# KiCad board Jumperless2.kicad_pcb (continued)
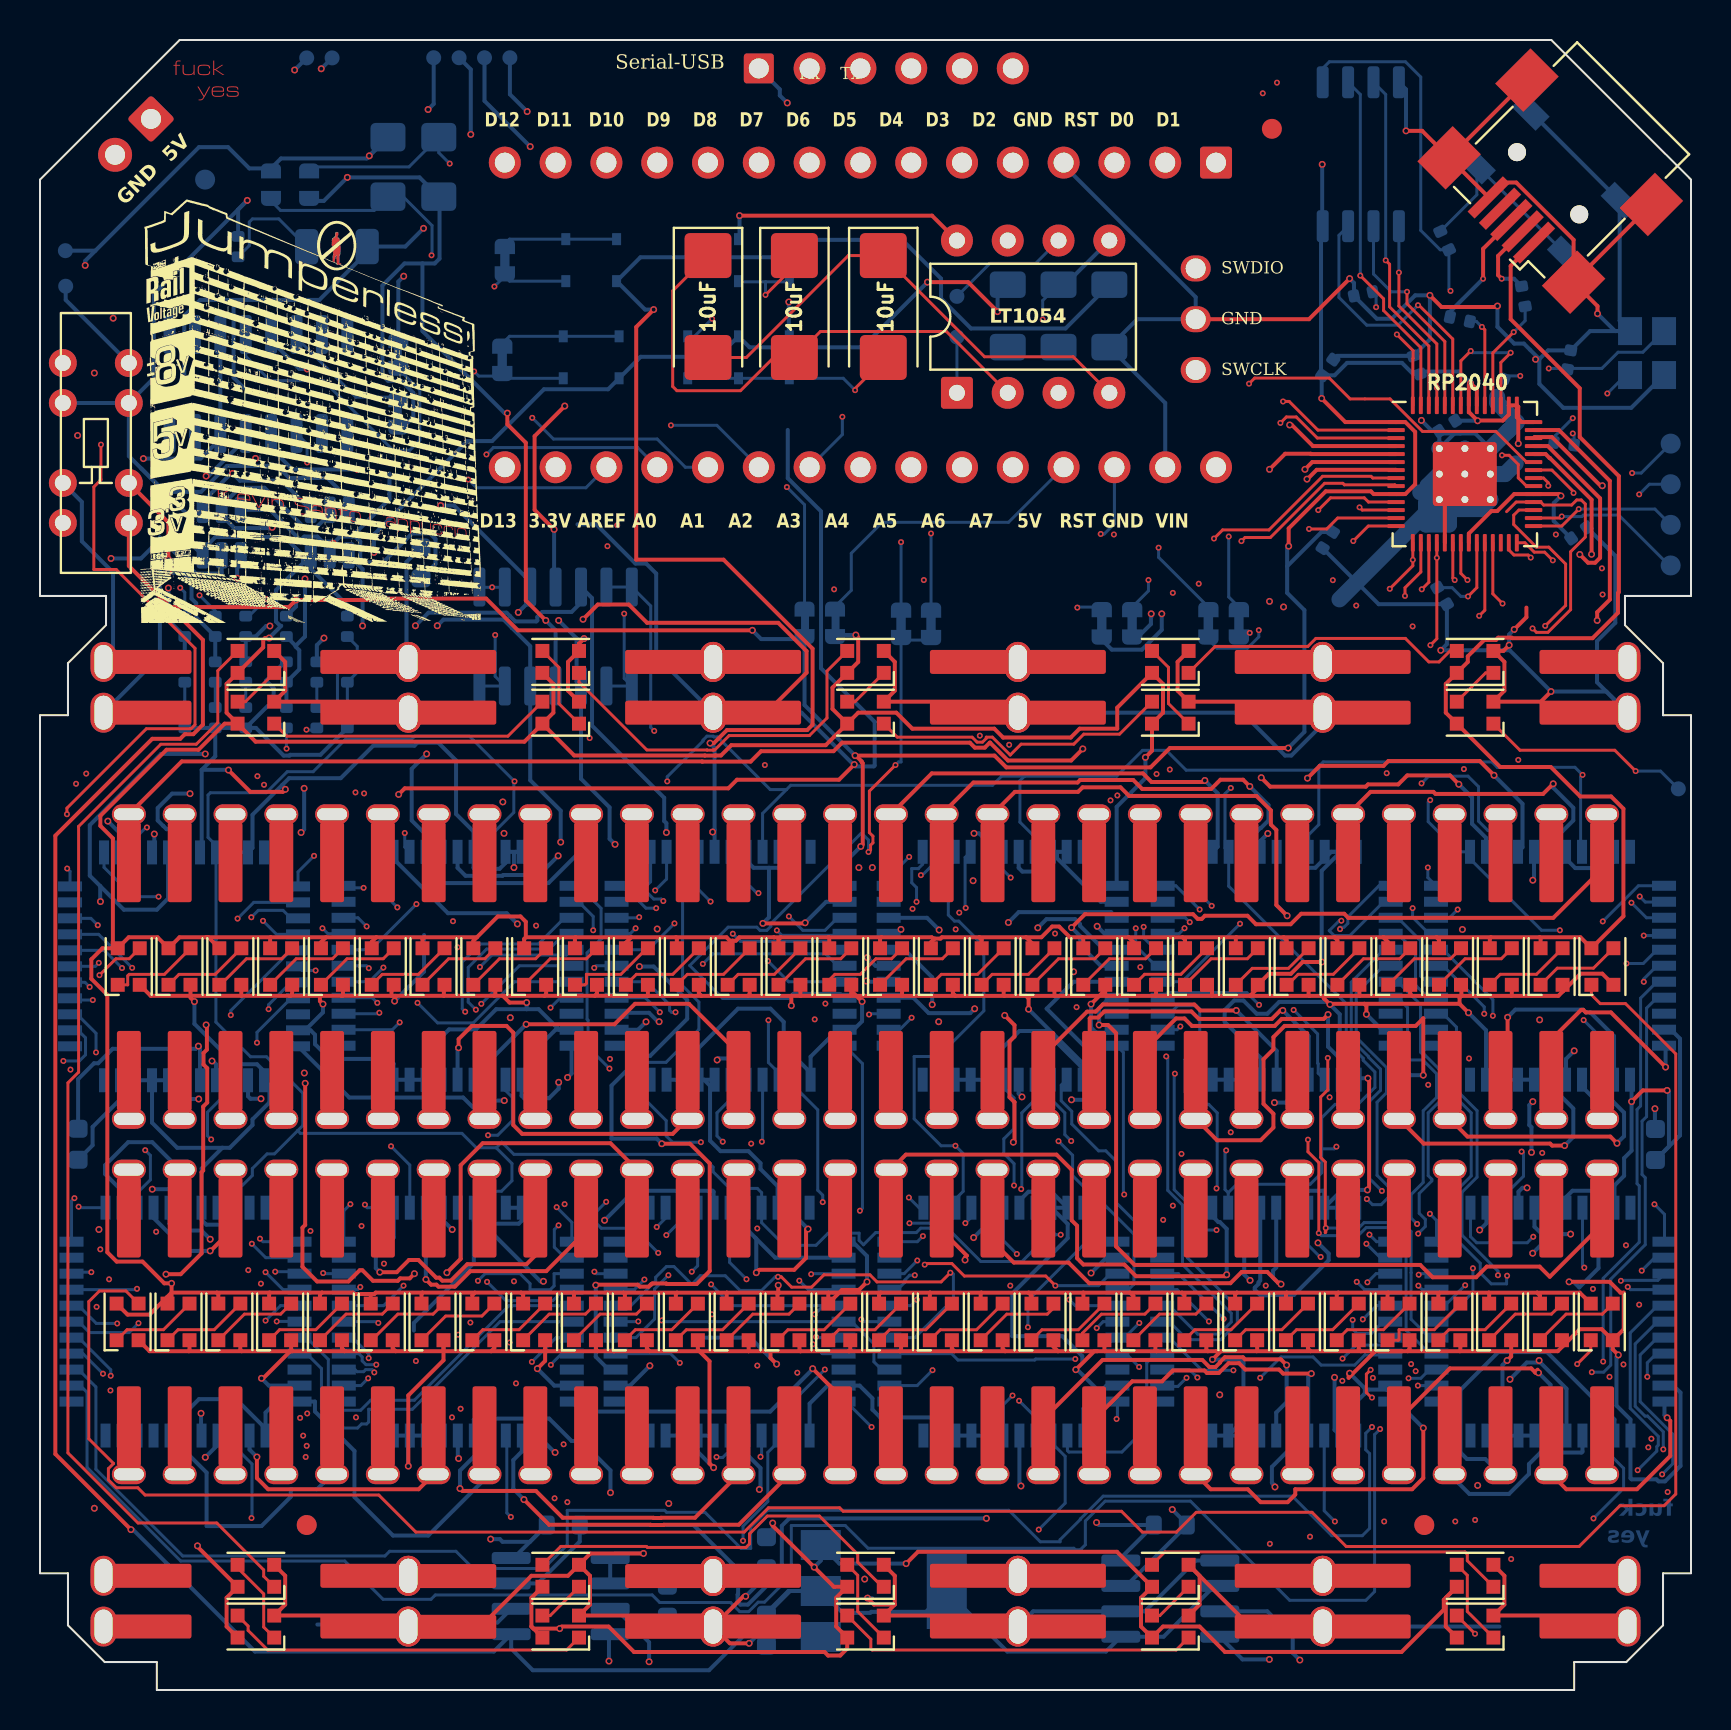
[diagram p0: board, top side]
## Routing (per net, layer and track width the routed paths; a pad name or vN(x,y) marks a point on that pad's centre or on a via; arc(x,y) is an arc through that point) (continued)
GND: length 1325.2
  Top w0.2: 60.5,34.73 60.89,35.12 D23.2 61.44,35.83 62.54,35.83 63.14,36.42 v2(64.08,36.42) ; 60.5,34.73 63.47,34.73 ; 60.5,34.73 58.6,34.73 ; 64.19,34.73 64.19,34.61 v2(64.5,34.3) 64.53,34.33 66.22,34.33 ; 64.19,34.73 63.47,34.73 ; 64.19,34.73 65.99,34.73 ; 10.06,34.73 12.52,34.73 ; 10.06,34.73 10.07,34.74 D3.2 ; 10.06,34.73 7.52,34.73 ; 12.52,34.73 14,34.73 ; 12.52,34.73 12.61,34.81 D4.2 ; v2(68.3,78) 69.11,78 J5.6 ; 12.6,16.95 15.24,16.95 ; 12.6,16.95 10.08,16.95 ; 12.6,16.95 12.56,16.99 ; 15.24,16.95 17.78,16.95 ; 15.24,16.95 15.1,17.09 D35.2 ; D9.2 25.31,34.81 25.22,34.73 ; 48.26,16.95 48.13,17.08 D48.2 ; 48.26,16.95 45.72,16.95 ; 48.26,16.95 50.9,16.95 ; D10.2 27.85,34.84 27.74,34.73 ; 45.72,16.95 43,16.95 ; 45.72,16.95 45.59,17.08 D47.2 ; 35.41,34.73 37.57,34.73 ; 35.41,34.73 35.48,34.8 D13.2 ; 35.41,34.73 33.07,34.73 ; 37.57,34.73 38.02,34.73 ; 37.57,34.73 v2(37.57,34.24) ; D29.2 76.13,34.97 76.14,34.95 ; 27.89,16.95 28.69,16.95 28.7,16.95 30.48,16.95 ; 27.89,16.95 25.35,16.95 ; 27.89,16.95 27.8,17.04 D40.2 ; v2(27.15,53.57) 27.89,54.31 29.44,54.31 30.35,53.39 36.91,53.39 38.33,51.97 38.33,50.9 36.33,48.89 J4.0 ; J4.32 78.83,3.72 D71.2 73.22,4.27 73.22,5.71 D72.2 ; 55.78,34.73 58.6,34.73 ; 55.78,34.73 53.31,34.73 ; 55.78,34.73 55.8,34.75 D21.2 ; 58.6,34.73 58.6,35.03 D22.2 ; D32.2 7.48,16.99 7.44,16.95 ; 68.38,16.95 68.48,17.05 D56.2 ; 68.38,16.95 70.99,16.95 ; 68.38,16.95 68.1,16.95 ; D77.2 26.4,5.71 24.57,5.71 22.03,3.17 J4.32 17.87,3.72 D79.2 12.26,4.27 12.26,5.71 D80.2 ; D77.2 27.52,6.83 v2(30.18,6.83) ; D77.2 27.5,5.71 27.5,4.27 D78.2 33.09,3.72 J4.32 ; 45.77,34.73 48.21,34.73 ; 45.77,34.73 45.64,34.86 D17.2 ; 45.77,34.73 43.13,34.73 ; 48.21,34.73 48.18,34.76 D18.2 ; 48.21,34.73 49.3,34.73 ; 76.19,17.25 75.89,16.95 73.53,16.95 ; 76.19,17.25 76.1,17.35 D59.2 ; 76.19,17.25 76.99,18.05 78.09,18.05 D60.2 ; U9.19 70.24,59.28 U9.57 ; 71.07,34.73 70.98,34.64 70.98,34.33 ; 71.07,34.73 68.61,34.73 ; 71.07,34.73 71.07,35.26 D27.2 ; 71.07,34.73 73.56,34.73 ; 7.44,16.95 5.48,16.95 D31.2 ; 7.44,16.95 10.08,16.95 ; 42.74,4.27 42.74,5.71 42.19,6.26 ; 42.74,4.27 41.7,4.27 v2(41.38,4.6) ; 42.74,4.27 42.19,3.72 48.34,3.72 J4.32 ; D43.2 35.43,16.95 ; 35.43,16.95 36.53,16.95 ; 35.43,16.95 32.97,16.95 ; D38.2 22.72,17.11 22.56,16.95 ; v2(73.71,53.06) 74.32,53.67 74.32,54.15 ; 36.53,16.95 36.53,16.61 v2(36.83,16.31) ; 36.53,16.95 38.02,16.95 ; D25.2 65.97,34.75 65.99,34.73 ; D24.2 63.43,34.77 63.47,34.73 ; 25.26,17.04 25.26,16.47 v2(24.87,16.08) ; 25.26,17.04 D39.2 ; 25.26,17.04 25.35,16.95 ; 17.78,16.95 17.64,17.09 D36.2 ; 17.78,16.95 20.17,16.95 ; v2(40.71,46.3) 39.95,45.54 34.85,45.54 34.42,45.11 18.24,45.11 v2(17.93,44.81) ; 40.46,16.95 43,16.95 ; 40.46,16.95 38.02,16.95 ; 40.46,16.95 40.51,17 D45.2 ; 43,16.95 43.05,17 D46.2 ; 50.9,16.95 52.86,16.95 ; 50.9,16.95 50.67,17.18 D49.2 ; 52.86,16.95 53.24,16.95 ; 52.86,16.95 52.71,16.95 v2(51.79,16.03) ; 27.74,34.73 28.68,34.73 30.4,34.73 ; 27.74,34.73 25.22,34.73 ; v2(66.37,25.02) 66.45,25.1 66.45,30.55 v2(66.4,30.61) ; D55.2 65.94,17.05 66.04,16.95 ; D57.2 71.02,16.97 70.99,16.95 ; 38.02,16.95 37.97,17 D44.2 ; 73.56,16.97 73.53,16.95 ; 73.56,16.97 73.56,16.69 v2(73.36,16.48) ; 73.56,16.97 D58.2 ; 73.53,16.95 70.99,16.95 ; v2(75.55,49.95) 75.04,49.44 D90.2 73.22,49.99 73.22,51.44 D89.2 73.17,51.98 v2(73.46,52.27) ; 10.08,16.95 10.02,17.02 D33.2 ; 43.13,34.73 43.1,34.76 D16.2 ; 43.13,34.73 40.51,34.73 ; 23.14,34.73 25.22,34.73 ; 23.14,34.73 23.48,34.39 v2(24.33,34.39) ; 23.14,34.73 22.71,34.73 ; v2(12.27,45.06) 12.14,44.93 10.51,44.93 v2(9.42,46.02) ; v2(81.36,30) 80.14,30 v2(79.58,29.44) ; 68.61,34.73 65.99,34.73 ; 68.61,34.73 68.51,34.82 D26.2 ; v2(58.62,16.54) 59.04,16.95 60.83,16.95 ; 7.52,34.73 5.54,34.73 D1.2 ; 7.52,34.73 7.53,34.74 ; 30.4,34.73 30.39,34.74 D11.2 ; 30.4,34.73 33.07,34.73 ; D81.2 12.26,51.44 12.26,49.99 D82.2 17.87,49.44 J4.0 ; 49.3,34.73 50.72,34.73 ; 49.3,34.73 49.43,34.6 v2(49.43,34.06) ; 50.72,34.73 53.31,34.73 ; 50.72,34.73 50.72,34.73 D19.2 ; 55.83,16.95 58.39,16.95 ; 55.83,16.95 53.24,16.95 ; 55.83,16.95 55.77,17.01 D51.2 ; 58.39,16.95 58.32,17.03 D52.2 ; 58.39,16.95 58.81,16.95 58.81,16.95 ; 20.17,16.95 20.18,16.96 D37.2 20.18,16.5 18.41,14.74 v2(18.41,11.2) ; 20.17,16.95 22.56,16.95 ; D60.2 78.64,17.04 v2(78.92,16.76) ; D60.2 79.19,18.05 79.19,19.88 79.03,19.88 78.49,20.42 v2(76.45,20.42) ; 60.83,16.95 60.86,16.97 D53.2 ; 60.83,16.95 63.53,16.95 ; 22.56,16.95 25.35,16.95 ; 76.14,34.95 75.92,34.73 73.56,34.73 ; 76.14,34.95 77.03,35.84 78.11,35.84 D30.2 ; 53.31,34.73 53.26,34.78 D20.2 53.26,35.03 v2(52.55,34.32) ; J5.6 J5.6 ; J5.6 J5.5 ; 66.22,34.33 66.32,34.23 v2(66.32,33.81) ; 66.22,34.33 70.98,34.33 ; 7.53,34.74 7.53,34.64 v2(7.72,34.44) ; 7.53,34.74 D2.2 ; 14,34.73 15.09,34.73 ; 14,34.73 14,34.47 v2(14.15,34.32) ; 15.09,34.73 15.15,34.79 D5.2 ; 15.09,34.73 17.58,34.73 ; J5.6 77.88,69.23 v2(77.88,68.86) ; J5.6 76.68,72.55 73.81,75.42 73.18,75.42 ; J5.6 J5.6 ; v2(35.81,20.88) 35.96,21.02 37.71,21.02 38.3,21.62 38.3,23.04 38.38,23.04 v2(38.4,23.06) ; 63.53,16.95 66.04,16.95 ; 63.53,16.95 63.4,17.08 D54.2 ; 66.04,16.95 68.1,16.95 ; 38.02,34.73 38.02,34.73 D14.2 ; 38.02,34.73 40.51,34.73 ; J4.0 63.59,49.44 D87.2 56.88,49.99 56.88,51.44 D88.2 ; 40.51,34.73 40.56,34.78 D15.2 40.56,34.98 v2(41.1,34.44) ; 32.97,16.95 33.48,16.44 33.48,11.33 v2(33.68,11.13) ; 32.97,16.95 32.89,17.03 D42.2 ; 32.97,16.95 30.48,16.95 ; 17.58,34.73 17.75,34.73 ; 17.58,34.73 17.58,35.17 D6.2 ; 17.75,34.73 20.19,34.73 ; 17.75,34.73 17.75,34.49 v2(17.73,34.47) ; 53.24,16.95 53.22,16.97 D50.2 ; v2(69.49,69.77) 70.08,69.19 72.82,69.19 v2(72.87,69.24) ; 33.07,34.73 32.94,34.86 D12.2 ; 30.48,16.95 30.34,17.09 D41.2 ; J4.0 48.34,49.44 42.19,49.44 42.74,49.99 42.74,51.44 42.19,51.98 ; D83.2 26.4,49.99 26.4,51.44 D84.2 26.95,52.35 v2(27.2,52.6) ; 73.56,34.73 73.59,34.76 D28.2 ; 70.98,34.33 v2(71.42,33.88) ; D7.2 20.19,35.25 20.19,34.73 ; J4.32 60.52,3.17 D73.2 57.98,5.71 57.98,4.27 D74.2 ; 20.19,34.73 22.71,34.73 ; J1.2 63.45,68.58 v2(65.48,70.61) ; 68.1,16.95 66.73,16.95 66.73,16.93 65.43,15.62 65.43,15.8 v2(65.48,15.85) ; v2(11.07,15.6) 11.16,15.6 12.56,16.99 ; v2(38.26,38.38) 38.23,38.35 v2(36.14,38.35) ; 22.71,34.73 22.77,34.79 D8.2 ; D34.2 12.56,16.99 ; v2(35.28,4.69) 35.17,4.69 J4.32 34.49,2.34 v2(35.46,2.34)
  In1.Cu w0.2: J4.32 J4.32 18.69,3.45 33.38,3.45 J4.32 J4.32 J4.32 J4.32 ; v2(14.66,57.37) 14.59,57.44 4.38,57.44 v2(3.55,56.61) ; J4.0 J4.0 ; 18.56,48.75 33.51,48.75
  In2.Cu w0.2: v2(25.76,11.89) 24.87,12.78 v2(24.87,16.08) 25.17,16.38 v2(25.17,20.45) ; v2(14.66,57.37) 14.91,57.62 14.91,68.86 v2(19.18,73.13) ; v2(23.7,41.15) 23.49,40.94 23.49,38.07 24.33,37.24 v2(24.33,34.39) ; J4.0 17.93,48.41 v2(17.93,44.81) ; v2(3.66,68.63) 3.61,68.58 3.48,68.58 ; v2(37.57,34.24) 38.25,34.92 38.25,38.38 v2(38.26,38.38) ; 3.48,68.58 3.48,65.84 ; 3.48,68.58 3.48,76.53 ; 3.48,65.84 2.77,65.84 v2(2.72,65.89) ; 3.48,65.84 3.48,63.93 ; v2(27.15,53.57) 27.2,53.52 v2(27.2,52.6) ; v2(37.36,79.4) 37.36,69.52 v2(37.44,69.44) ; 3.48,63.93 3.05,63.93 v2(1.88,62.76) ; 3.48,63.93 3.48,56.69 v2(3.55,56.61) ; v2(71.42,33.88) 71.12,34.19 v2(71.12,38.05) ; v2(18.41,11.2) 18.41,7.27 17.56,6.42 17.56,4.02 J4.32
  Bottom w0.2: U3.2 9.08,55.9 9.04,55.86 7.8,55.86 5.99,57.66 5.99,57.56 ; v2(17.73,34.47) 19.2,35.94 19.2,37.77 ; J6.19 32.88,11.92 v2(33.68,11.13) ; G1.20 G1.21 ; G1.20 60.17,13.49 60.17,16.36 59.99,16.54 v2(58.62,16.54) ; G1.20 G1.18 ; 36.45,41.13 35.68,41.13 35.33,41.48 I1.40 ; 36.45,41.13 36.93,41.13 I1.43 I1.42 ; 36.45,41.13 36.45,38.66 v2(36.14,38.35) ; J4.32 18.31,3.28 13.87,3.28 ; H1.21 H1.18 ; J6.18 J6.21 ; F5.42 F5.43 24.09,23.48 23.94,23.33 21.83,23.33 21.69,23.47 F5.40 ; v2(77.88,68.86) 78.75,67.99 79.5,67.99 ; D70.43 D70.42 77.9,41.22 77.8,41.12 76.76,41.12 76.3,41.59 D70.40 ; v2(65.48,15.85) 66.24,15.09 66.24,14.84 ; v2(72.87,69.24) 72.87,68.2 73.71,67.36 74.19,67.36 74.97,66.59 ; C25.1 2.63,27.25 2.63,28.17 4,29.54 A2.21 A2.18 ; v2(18.41,11.2) 18.41,12.65 F5.20 ; F5.40 21.69,23.78 25.02,20.45 v2(25.17,20.45) ; F5.40 21.69,21.36 18.69,18.36 18.69,17.98 ; U9.57 71.76,62.86 71.02,62.86 ; G1.40 62.91,24.43 62.91,24.92 62.97,24.98 64.16,24.98 64.21,24.93 G1.42 ; L1.2 53.03,39.43 50.85,41.62 50.85,41.93 ; C26.21 C26.18 61.03,31.63 59.23,33.43 59.23,34.02 59.71,34.49 60.17,34.49 60.83,33.83 61.37,33.83 61.96,34.42 64.37,34.42 v2(64.5,34.3) 64.99,33.81 64.99,32.32 65.83,31.47 C26.12 65.91,30.61 v2(66.4,30.61) ; 23.77,41.93 B1.42 23.28,41.38 22.98,41.08 21.73,41.08 21.68,41.14 B1.40 21.68,42.95 20.8,43.83 20.8,46.51 19.91,47.4 18.87,47.4 18.72,47.24 16.66,47.24 15.04,45.62 12.45,45.62 12.12,45.28 ; 23.77,41.93 23.7,41.86 v2(23.7,41.15) ; 23.77,41.93 B1.43 ; v2(73.46,52.27) 73.46,52.81 v2(73.71,53.06) ; v2(19.18,73.13) 18.27,72.22 D91.1 16.36,71.94 13.97,69.55 9.8,69.55 ; 25.96,33.03 24.93,34.06 24.33,34.06 ; 25.96,33.03 B1.10 ; 25.96,33.03 25.78,33.03 24.88,32.13 B1.12 ; 9.8,69.55 8.01,69.55 7.21,68.75 7.21,65.46 7.52,65.15 ; 9.8,69.55 9.68,69.42 9.68,65.66 10.19,65.15 ; 9.12,27.13 9.49,27.13 10.62,28.26 10.62,28.55 11.47,29.4 11.47,30.23 A2.12 11.2,30.96 10.85,31.31 9.74,31.31 7.72,33.33 v2(7.72,34.44) ; 9.12,27.13 8.09,26.09 8.09,24.14 ; 9.12,27.13 6.86,27.13 5.6,28.38 A2.19 ; H1.40 76.32,24.68 76.62,24.98 77.87,24.98 H1.43 ; F5.10 25.71,15.23 v2(24.87,16.08) ; 66.24,14.84 66.43,15.03 67.31,15.03 G1.10 ; 66.24,14.84 65.81,14.41 G1.12 ; K1.10 53.32,15.23 52.99,14.9 ; v2(3.55,56.61) 5.05,56.61 5.99,57.56 ; H1.43 H1.42 77.92,21.1 76.96,20.14 76.68,20.42 v2(76.45,20.42) ; H1.43 78.72,25.24 79.2,25.72 79.2,26.61 79.58,26.98 v2(79.58,29.44) 79.58,30.46 D70.12 ; H1.10 81.67,15.23 82.02,14.88 82.02,11.21 81.25,10.44 80.92,10.44 80.82,10.54 79.58,10.54 79.52,10.59 H1.12 79.52,13.53 78.82,14.23 78.82,16.67 v2(78.92,16.76) ; K1.40 48.97,24.48 49.42,24.93 50.57,24.93 K1.43 K1.42 51.38,23.32 51.38,22.61 48.62,19.84 48.62,17.7 51.12,17.7 52.12,16.71 52.12,16.35 v2(51.79,16.03) 51.87,16.03 52.99,14.9 ; 15.6,57.71 15.76,57.71 16.01,57.46 16.01,56.62 16.21,56.42 17.16,56.42 18.6,57.86 19.5,57.86 19.77,57.58 19.77,56.34 C23.1 ; 15.6,57.71 17.48,59.59 17.48,60.86 ; 15.6,57.71 15,57.71 v2(14.66,57.37) ; R22.2 8.76,46.71 8.09,46.04 ; R22.2 R21.2 ; R22.2 R23.2 ; v2(38.4,23.06) 37.68,23.79 J6.43 J6.42 36.88,25.21 36.03,26.06 36.03,26.36 35.42,26.96 34.03,26.96 33.5,27.48 33.5,30.23 33.2,30.53 ; v2(11.07,15.6) 11.44,15.23 E1.10 12.63,15.23 11.28,13.88 E1.12 11.28,13.08 9.8,14.55 7.95,14.55 6.48,13.08 E1.18 ; v2(14.66,57.37) 14.49,57.19 U5.2 ; v2(14.66,57.37) 14.58,57.46 14.11,57.46 13.86,57.71 13.21,57.71 13.02,57.52 11.5,59.04 U3.6 ; 26.87,58.32 27.81,58.32 29.78,56.35 30.31,56.35 30.81,55.85 30.81,51.74 J4.0 38.08,48.89 40.76,46.21 41.69,46.21 41.73,46.25 41.73,48.44 39.05,51.12 39.05,58.97 37.39,60.63 37.39,63.04 ; 5.99,57.56 5.99,51.71 J4.0 ; 81.2,65.79 79.56,64.15 76.16,64.15 74.97,65.34 74.97,66.59 ; A1.29 56.26,64.39 C1.2 54.86,68.58 J1.2 57.78,69.68 51.18,76.29 ; 79.5,67.99 78.98,68.5 SW1.1 SW1.1 ; 79.5,67.99 77.5,67.99 C14.2 75.4,67.02 74.97,66.59 ; v2(24.33,34.39) 24.33,34.06 ; 24.33,34.06 22.81,34.06 21.8,33.05 20.45,33.05 20.08,32.68 B1.18 B1.21 17.68,31.33 17.44,31.57 14.49,31.57 13.75,32.31 13.75,32.78 13.53,33.01 A2.10 13.25,33.01 14.15,33.9 v2(14.15,34.32) ; 12.25,51.44 11.3,50.5 11.68,50.12 11.68,49.53 R23.2 ; v2(35.81,20.88) 35.81,22.58 35.76,22.63 ; D70.18 D70.21 72.3,33.01 v2(71.42,33.88) ; L1.40 48.93,41.13 49.12,40.94 50.34,40.94 50.53,41.13 L1.42 50.85,41.93 ; 52.99,14.9 52.17,14.08 K1.12 ; J4.0 64.14,48.32 62.57,46.75 62.25,46.75 60.11,48.89 J4.0 ; 12.12,45.28 10.62,43.79 10.62,42.13 A2.43 A2.42 ; 12.12,45.28 12.12,45.21 v2(12.27,45.06) ; C26.43 64.57,41.94 63.77,41.14 63.08,41.14 62.63,41.59 C26.40 ; C26.43 C26.42 ; C26.43 64.08,40.99 v2(64.08,36.42) ; v2(66.37,25.02) 65.1,25.02 G1.42 ; L1.21 L1.18 47.33,31.33 48.97,32.97 50.27,32.97 52.13,31.1 L1.12 52.13,31.36 v2(49.43,34.06) ; F5.18 F5.21 ; v2(35.28,4.69) 36.32,5.73 C7.2 ; C18.2 66.94,54.32 C11.2 70.34,52.32 v2(70.04,52.02) 73.49,52.02 v2(75.55,49.95) 78.32,49.95 J4.0 77.85,50.42 77.85,52.48 78.77,53.39 78.77,56.74 77.34,58.17 ; 8.09,46.04 8.09,41.99 ; 8.09,46.04 9.41,46.04 v2(9.42,46.02) ; 74.97,66.59 74.79,66.59 v2(74.78,66.57) ; 36.32,2.22 36.75,2.65 U2.1 35.77,2.65 v2(35.46,2.34) ; I1.19 32.93,32.12 34.9,34.09 36.53,34.09 37.19,33.43 37.19,32.23 38.53,30.88 I1.12 38.53,31.68 39.88,33.03 I1.10 40.68,33.03 41.1,33.46 v2(41.1,34.44) ; D70.10 81.55,33.04 82,32.59 82,27.75 C16.2 81.45,27.19 81.45,29.91 v2(81.36,30) ; 28.51,5.33 28.51,6.6 28.74,6.83 v2(30.18,6.83) ; E1.40 8.08,23.52 8.32,23.28 9.38,23.28 9.68,23.58 E1.42 ; J6.40 35.28,23.11 35.76,22.63 ; v2(37.44,69.44) 37.44,67.75 ; L1.10 53.69,32.89 52.8,32.89 52.55,33.14 v2(52.55,34.32) ; 33.2,30.53 I1.18 ; 33.2,30.53 I1.21 ; 71.02,62.86 70.08,62.86 C20.2 69.6,62.99 v2(69.07,63.52) ; 71.02,62.86 70.72,62.86 U9.57 69.97,62.97 ; v2(36.83,16.31) 35.51,17.63 32.79,17.63 ; v2(25.76,11.89) 25.73,11.89 F5.12 ; G1.42 G1.43 ; 50.85,41.93 L1.43 ; 35.76,22.63 36.76,21.63 J6.2 ; U8.4 68.3,80.08 v2(68.3,78) ; v2(38.26,38.38) 39.31,39.43 I1.2 ; H1.20 73.12,16.25 v2(73.36,16.48) ; U4.6 22.87,3.38 18.62,3.38 ; 67.09,33.04 v2(66.32,33.81) ; v2(41.38,4.6) 41.61,4.6 ; C22.1 33.16,3.67 ; J3.1 36.99,80.08 36.99,79.77 v2(37.36,79.4) ; U6.1 57.78,6.48 55.25,3.94 U6.6 49.66,3.94 J4.32 ; J4.32 72.97,3.17 ; R23.2 10.8,48.13 12.18,46.75 12.47,46.75 12.51,46.79 14.02,46.79 R18.1 16.13,48.89 J4.0 ; v2(65.48,70.61) 65.7,70.39 C9.2 66.84,68.61 67.59,68.61 68.76,69.77 v2(69.49,69.77) 69.49,67.57 C19.2 64.85,66.75 C12.2 ; J6.12 38.48,14.33 39.38,15.23 J6.10 40.98,15.23 41.62,14.59 41.62,14.03 42.01,13.64 44.86,13.64 44.97,13.53 K1.21 K1.18
  Bottom w0.8: U9.57 64.97,54.56 ; U9.57 69.61,59.92 69.01,59.92 ; U9.57 70.43,59.09 70.43,59.08 72.04,59.08 U9.57 U9.57 ; U9.57 69.97,58.73 70.45,58.73 70.45,58.31 69.3,58.31 69.3,59.43 ; U9.57 U9.57 ; U9.57 69.38,60.15 69.38,60.24 U9.57 ; C13.2 72.86,64.4 73.84,63.42 73.41,63 73.41,63 U9.57 U9.57 ; U9.57 U9.57 U9.57 ; U9.57 U9.57 U9.57 ; U9.57 73.25,60.83 73.79,61.37 ; U9.57 U9.57
1: length 80.6
  Top w0.2: J4.1 7.09,46.46 33.11,46.46 33.12,46.45 35.53,46.45 36.06,46.97 39.68,46.97 40.11,47.4 46.49,47.4 46.74,47.15 47.24,47.15 47.49,47.4 47.5,47.4 48.4,46.5 51.56,46.5 v2(52.14,47.08)
  In2.Cu w0.2: J4.1 4.45,43.07 5.23,42.29 5.23,30.89 4.45,30.11 J4.1 ; v2(52.14,47.08) 51.29,46.23 51.29,39.44 50,38.16 49.91,38.16 v2(49.89,38.13)
  Bottom w0.2: L1.5 53.2,37.03 52,38.23 52,38.32 51.75,38.57 50.32,38.57 v2(49.89,38.13)
2: length 21.8
  In2.Cu w0.2: v2(3.39,43.47) 3.39,44.17 3.78,44.56 6.23,44.56 J4.2 J4.2
  Bottom w0.2: A2.35 4,42.86 v2(3.39,43.47)
3: length 20.5
  In1.Cu w0.2: J4.3 9.52,43.15 9.35,42.98 5.87,42.98 v2(5.72,42.82)
  In2.Cu w0.2: J4.3 9.02,43.31 9.02,38.15 9.14,38.04 9.14,28.96
  Bottom w0.2: v2(5.72,42.82) 5.72,42.02
4: length 26.2
  In1.Cu w0.2: J4.4 11.05,44.83 7.52,44.83 v2(7.5,44.85)
  In2.Cu w0.2: J4.4 12.06,30.22 11.77,30.52 11.77,32.43 10.92,33.27 10.92,35.34 11.82,36.23 11.82,42.02 12.06,42.26 J4.4
  Bottom w0.2: A2.39 7.2,42.71 6.84,43.06 6.33,43.06 6.17,43.22 6.17,43.22 5.88,43.5 5.88,44.13 6.61,44.85 v2(7.5,44.85)
5: length 26.1
  In1.Cu w0.2: J4.5 13.86,27.82 11.4,27.82 11,28.23 10.59,28.23 10.62,28.26 10.62,28.89 10.19,29.32 9.2,29.32 8.95,29.57 v2(7.94,29.57)
  In2.Cu w0.2: J4.5 14.61,43.21 13.3,41.9 13.3,37.04 14.61,35.74 J4.5
  Bottom w0.2: v2(7.94,29.57) 7.34,29.57 7.2,29.71 A2.17
6: length 26.8
  In1.Cu w0.2: v2(8.6,31.47) 9.63,30.44 9.63,30.38 10.86,29.16 11.24,29.16 11.4,29.32 12.73,29.32 12.97,29.57 15.52,29.57 16.51,28.57
  In2.Cu w0.2: J4.6 18.39,29.82 18.39,35.01 18.16,35.25 18.16,38.16 17.15,39.17 J4.6
  Bottom w0.2: A2.15 8.8,31.31 8.64,31.47 v2(8.6,31.47)
7: length 26.1
  In1.Cu w0.2: J4.7 18.34,29.92 11.38,29.92 v2(11.05,29.58)
  In2.Cu w0.2: J4.7 J4.7
  Bottom w0.2: v2(11.05,29.58) 10.53,29.58 10.4,29.71 A2.13
8: length 25.9
  In2.Cu w0.2: 21.92,43.51 21.61,43.2 21.61,37.39 22.57,36.43 22.57,28.92
  Bottom w0.2: J4.8 21.16,29.64 15.47,29.64 A2.11
9: length 24.3
  In2.Cu w0.2: J4.9 24.77,39.22 23.8,38.26 ; 24.83,28.64 24.83,37.16 24.63,37.36 24.63,37.67 24.56,37.74 24.56,38 24.38,38.17 23.88,38.17 23.8,38.26 ; 23.8,38.26 23.87,38.33 v2(23.87,38.33)
  Bottom w0.2: B1.35 17.68,41.58 20.4,38.86 23.33,38.86 v2(23.87,38.33)
10: length 27.2
  In2.Cu w0.2: J4.10 27.3,32.31 28.12,33.12 28.12,36.23 26.98,37.37 26.98,43.49
  Bottom w0.2: B1.37 19.28,41.13 20.04,40.37 25.42,40.37 27.3,42.25 J4.10
11: length 28
  In1.Cu w0.2: v2(25.91,41.73) 25.91,41.86 25.88,41.86 25.27,42.47 25.73,42.93 28.96,42.93 J4.11
  In2.Cu w0.2: J4.11 30.36,43.3 30.36,38.07 29.62,37.33 29.62,36.52 29.55,36.45 29.55,28.87
  Bottom w0.2: B1.39 20.88,41.13 21.28,40.73 23.12,40.73 23.16,40.77 24.95,40.77 v2(25.91,41.73)
12: length 34.3
  Top w0.2: J4.12 31.64,27.82 24.1,27.82 23.66,28.26 23.66,32.89 23.33,33.22 21.59,33.22 20.93,32.56 v2(20.93,32.13)
  In2.Cu w0.2: J4.12 J4.12
  Bottom w0.2: v2(20.93,32.13) 20.88,32.08 B1.17
13: length 33.9
  Top w0.2: v2(24.31,33.31) 28.73,33.31 29.75,34.33 32.45,34.33 34.92,31.85 J4.13
  In2.Cu w0.2: 35.02,43.72 35.02,28.67
  Bottom w0.2: B1.15 22.48,31.48 v2(24.31,33.31)
14: length 30.7
  In1.Cu w0.2: 37.13,28.91 36.01,28.91 35.59,29.32 29.18,29.32 29.16,29.3 27.88,29.3 27.85,29.32 27.01,29.32 v2(25.93,30.4)
  In2.Cu w0.2: 37.75,43.53 37.75,38.89 37.79,38.85 37.79,38.3 36.86,37.36 36.86,29.18 J4.14
  Bottom w0.2: v2(25.93,30.4) 25.93,30.09 25.45,29.61 24.2,29.61 24.08,29.73 B1.13
15: length 31.1
  In1.Cu w0.2: 39.45,28.57 38.32,29.7 30.03,29.7 29.68,30.05 29.58,30.05 29.22,29.69 27.33,29.69 v2(26.38,30.65)
  In2.Cu w0.2: J4.15 J4.15
  Bottom w0.2: B1.11 26.58,30.85 v2(26.38,30.65)
16: length 37
  Top w0.2: v2(58.24,45.5) 58.17,45.43 55.58,45.43 55.15,45.86 44.59,45.86 J4.16
  In2.Cu w0.2: J4.16 42.55,39.57 43.68,38.44 43.68,37.48 43.77,37.38 43.77,35.33 43.29,34.84 43.29,34.58 42.55,33.84 J4.16
  Bottom w0.2: C26.35 58.89,42.19 58.89,44.86 v2(58.24,45.5)
17: length 36.3
  Top w0.2: J4.17 46.67,45.4 51.88,45.4 52,45.53 54.66,45.53 55.11,45.08 58.56,45.08 59.02,45.54 60.15,45.54 v2(60.49,45.2)
  In2.Cu w0.2: 45.38,43.52 45.38,37.86 45.41,37.83 45.41,34.27 45.63,34.04 45.63,33.52 45.13,33.01 44.85,33.01 44.51,32.67 44.51,29.15 J4.17
  Bottom w0.2: 60.23,42.34 61.02,43.12 61.04,43.12 61.42,43.5 61.42,44.27 v2(60.49,45.2)
18: length 39.8
  Top w0.2: J4.18 48.74,44.93 51.9,44.93 52.13,45.16 54.03,45.16 54.46,44.73 60.82,44.73 61.54,44.01 61.54,43.3 61.82,43.03 61.82,39.28 v2(62.36,38.73)
  In2.Cu w0.2: J4.18 47.62,38.96 46.84,38.18 46.84,35 47.62,34.21 47.62,33.05 47.45,32.88 47.45,28.75
  Bottom w0.2: C26.39 61.83,39.26 v2(62.36,38.73)
19: length 33.9
  Top w0.2: v2(59.81,34) 58.01,34 57.72,34.3 53.14,34.3 52.78,33.94 52.36,33.94 50.17,31.75 J4.19
  In2.Cu w0.2: 50.51,28.92 50.51,33.92 49.47,34.97 49.47,38.31 50.17,39.01 J4.19
  Bottom w0.2: v2(59.81,34) 61.83,31.98 C26.17
20: length 35.9
  Top w0.2: v2(62.14,34) 62.02,34 61.59,33.57 57.94,33.57 57.57,33.95 53.21,33.95 52.91,33.64 52.53,33.64 52.48,33.6 52.48,28.8
  In2.Cu w0.2: J4.20 52.7,40.36 50.35,38.01 50.35,37.68 50.65,37.38 50.83,37.38 52.18,36.04 52.18,34.16 52.48,33.85 52.48,28.8
  Bottom w0.2: C26.15 63.43,32.71 v2(62.14,34)
21: length 32.8
  Top w0.2: v2(64.4,33.79) 64.18,33.57 62.32,33.57 62.09,33.57 61.74,33.22 57.6,33.22 57.22,33.6 56.8,33.6 55.25,32.04 J4.21
  In2.Cu w0.2: 55.57,43.49 55.57,38.36 55.58,38.34 55.58,38.01 55.57,38 55.57,37.69 54.61,36.73 54.61,29.21 J4.21
  Bottom w0.2: v2(64.4,33.79) 64.4,32.18 65.03,31.55 C26.13
22: length 37.9
  Top w0.2: J4.22 58.85,27.51 61.03,27.51 61.67,28.14 61.67,28.83 61.17,29.33 61.17,31.56 61.67,32.05 61.67,32.66 62.23,33.22 68.78,33.22 69.16,33.6 v2(69.16,30.76)
  In2.Cu w0.2: 57.55,43.58 57.55,38.81 57.65,38.81 57.89,38.58 57.89,38.25 57.86,38.22 57.86,28.65
  Bottom w0.2: C26.11 67.97,31.8 67.97,31.32 68.53,30.76 v2(69.16,30.76)
23: length 31.6
  Top w0.2: v2(61.06,45.64) 61.51,45.19 66.29,45.19 66.4,45.31 67.91,45.31 68.36,45.76 70.5,45.76 v2(70.94,45.31)
  In2.Cu w0.2: v2(61.06,45.64) 61.06,44.55 J4.23 ; 60.4,43.74 60.4,28.65
  Bottom w0.2: v2(70.94,45.31) 71.6,44.65 71.6,43.33 72.3,42.64 D70.35
24: length 31.5
  Top w0.2: v2(63.37,45.62) 63.99,46.23 67.18,46.23 67.42,46.48 71.99,46.48 v2(72.7,45.76)
  In2.Cu w0.2: 62.93,43.75 62.93,37.75 63.08,37.6 63.08,33.44 63.09,33.43 63.09,28.8 ; v2(63.37,45.62) 63.37,44.32 J4.24
  Bottom w0.2: v2(72.7,45.76) 74.12,44.34 74.12,42.16 D70.37
25: length 30.7
  Top w0.2: v2(75.66,45.34) 75.15,44.83 69.77,44.83 69.67,44.93 66.52,44.93 J4.25
  In2.Cu w0.2: J4.25 65.88,29.05 65.88,35.27 66.1,35.49 66.1,43.12 J4.25
  Bottom w0.2: v2(75.66,45.34) 75.66,45.14 76.67,44.14 76.67,43.5 75.5,42.34
26: length 28.3
  Top w0.2: v2(76.23,27.24) 75.61,27.24 75.51,27.34 69.18,27.34 J4.26
  In2.Cu w0.2: J4.26 J4.26
  Bottom w0.2: v2(76.23,27.24) 76.67,27.67 76.67,29.09 76.07,29.69 75.55,29.69 75.5,29.74 D70.17
27: length 28.8
  Top w0.2: J4.27 71.37,27.69 78.52,27.69 v2(78.85,27.36)
  In2.Cu w0.2: J4.27 J4.27
  Bottom w0.2: D70.15 77.1,30.19 77.6,29.69 78.41,29.69 79.2,28.89 79.2,27.71 v2(78.85,27.36)
28: length 27.9
  Top w0.2: v2(73.38,33.66) 73.38,28.93
  In2.Cu w0.2: 73.14,43.7 73.14,28.69
  Bottom w0.2: D70.13 78.7,32.72 77.52,33.9 77.29,33.9 77.15,34.04 73.77,34.04 v2(73.38,33.66)
29: length 27.7
  Top w0.2: J4.29 75.56,32.54 77.05,34.03 77.16,34.03 77.29,33.9 78.55,33.9 v2(81.28,31.17)
  In2.Cu w0.2: J4.29 J4.29
  Bottom w0.2: v2(81.28,31.17) 81.28,32.16
30: length 49.6
  Top w0.2: v2(51.58,38.14) 52.25,38.81 57.65,38.81 57.89,38.58 58.09,38.58 58.24,38.74 60.38,38.74 60.8,38.31 62.53,38.31 63.06,38.84 65.21,38.84 65.42,38.63 75.66,38.63 78.11,41.07 J4.30
  In2.Cu w0.2: J4.30 78.54,43.38 78.54,30.05 78.48,29.99 78.48,28.95
  Bottom w0.2: v2(51.58,38.14) 51.58,38.14 52.01,37.71 52.01,37.25 53.03,36.23 L1.6
32: length 80.7
  In1.Cu w0.2: v2(51.58,29.53) 50.71,30.4 35.75,30.4 34.16,31.98 33.71,31.98 32.47,30.75 29.29,30.75 29.21,30.67 27.61,30.67 26.86,31.42 26.06,31.42 26.03,31.39 9.77,31.39 8.53,32.64 7.74,32.64 5.88,30.78 5.88,28.26 4.45,26.82 J4.33
  In2.Cu w0.2: J4.33 4.45,25.62 5.32,24.74 5.32,11.67 J4.33
  Bottom w0.2: L1.7 51.68,35.43 50.33,34.09 52.43,31.99 52.43,31.45 52.64,31.24 52.64,29.69 52.48,29.53 v2(51.58,29.53)
33: length 22.5
  In2.Cu w0.2: J4.34 J4.34
  Bottom w0.2: E1.35 4.08,24.99 3.25,25.82 3.25,26.25 4.41,27.41 5.61,27.41 J4.34
34: length 23.8
  Top w0.2: J4.35 9.52,22.97 8.53,21.97 v2(8.51,21.97)
  In2.Cu w0.2: J4.35 J4.35
  Bottom w0.2: E1.37 5.68,23.62 7.33,21.97 v2(8.51,21.97)
35: length 27
  In1.Cu w0.2: J4.36 11.31,25.28 5.84,25.28 v2(5.61,25.05)
  In2.Cu w0.2: J4.36 13.06,10.79 14.47,12.21 14.47,14.2 14.18,14.48 14.18,20.05 12.06,22.17 J4.36
  Bottom w0.2: E1.39 7.28,24.66 6.89,25.05 v2(5.61,25.05)
36: length 28.1
  In2.Cu w0.2: 14.53,25.96 14.53,21.05 15.01,20.57 15.01,11.2 J4.37
  Bottom w0.2: J4.37 13.86,10.04 12.53,10.04 12.53,9.66 11.07,8.2 8.33,8.2 8.33,10.88 7.28,11.93 E1.17
37: length 27.8
  In2.Cu w0.2: v2(8.26,11.64) 8.26,10.15 9.02,9.4 15.75,9.4 J4.38 17.62,11.27 17.62,18.12 17.6,18.14 17.6,20.19 17.64,20.23 17.64,25.54 J4.38
  Bottom w0.2: 8.88,12.26 v2(8.26,11.64)
38: length 26.5
  Top w0.2: v2(10.85,11.66) 10.85,10.6 11.4,10.04 18.94,10.04 J4.39
  In2.Cu w0.2: 19.86,10.97 19.86,25.86
  Bottom w0.2: v2(10.85,11.66) 10.48,12.03 E1.13
39: length 30.7
  In2.Cu w0.2: J4.40 22.23,16.59 23.03,17.4 23.03,20.1 22.79,20.34 22.79,22.3 22.23,22.86 J4.40
  Bottom w0.2: 22.23,10.54 19.41,7.73 17.65,7.73 15.72,9.65 15.72,11.96 13.75,13.94 13.75,14.43 E1.11
40: length 33.3
  Top w0.2: v2(16.99,20.9) 17.84,20.9 18.44,21.51 18.92,21.51 19.81,20.63 19.97,20.63 20.12,20.48 20.54,20.48 21.37,21.3 24.33,21.3 24.77,21.74 J4.41
  In2.Cu w0.2: J4.41 24.34,25.61 24.34,17.41 23.37,16.44 23.37,12.19 J4.41
  Bottom w0.2: v2(16.99,20.9) 16.79,21.11 16.79,21.74 17.69,22.64 F5.35
41: length 31.2
  Top w0.2: v2(19.3,20.54) 19.56,20.28 19.82,20.28 19.92,20.18 20.74,20.18 21.51,20.95 25.31,20.95 27.3,22.95 J4.42
  In2.Cu w0.2: J4.42 J4.42
  Bottom w0.2: F5.37 19.29,20.55 v2(19.3,20.54)
42: length 35
  Top w0.2: J4.43 28.52,27.36 22.14,27.36 21.03,26.25 21.03,21.57 v2(20.34,20.88)
  In2.Cu w0.2: J4.43 29.84,14.2 31.14,15.49 31.14,16.31 29.47,17.97 29.47,25.66
  Bottom w0.2: 21.03,23.99 21.03,21.57 v2(20.34,20.88)
43: length 32.5
  In2.Cu w0.2: J4.44 32.99,25.43 32.99,11.4 J4.44 32.39,9.65 31.55,8.82 26.55,8.82 26.37,9 26.2,9 26.14,9.06 21.39,9.06 20.57,9.88 20.57,10.27 20.93,10.63 v2(20.93,11.58)
  Bottom w0.2: F5.17 20.89,11.62 v2(20.93,11.58)
44: length 34.3
  Top w0.2: v2(21,10.08) 21.12,9.96 24.8,9.96 26.14,8.62 30.67,8.62 30.69,8.61 31.04,8.61 31.05,8.62 32.75,8.62 J4.45
  In2.Cu w0.2: J4.45 J4.45
  Bottom w0.2: F5.15 22.49,11.93 22.44,11.88 21.9,11.88 21,10.98 v2(21,10.08)
45: length 33.7
  Top w0.2: v2(24.2,9.53) 25.46,8.27 30.53,8.27 30.54,8.26 31.18,8.26 31.19,8.27 34.94,8.27 J4.46